# Altium PCB ltk-mw-tx-rx.PcbDoc (continued)
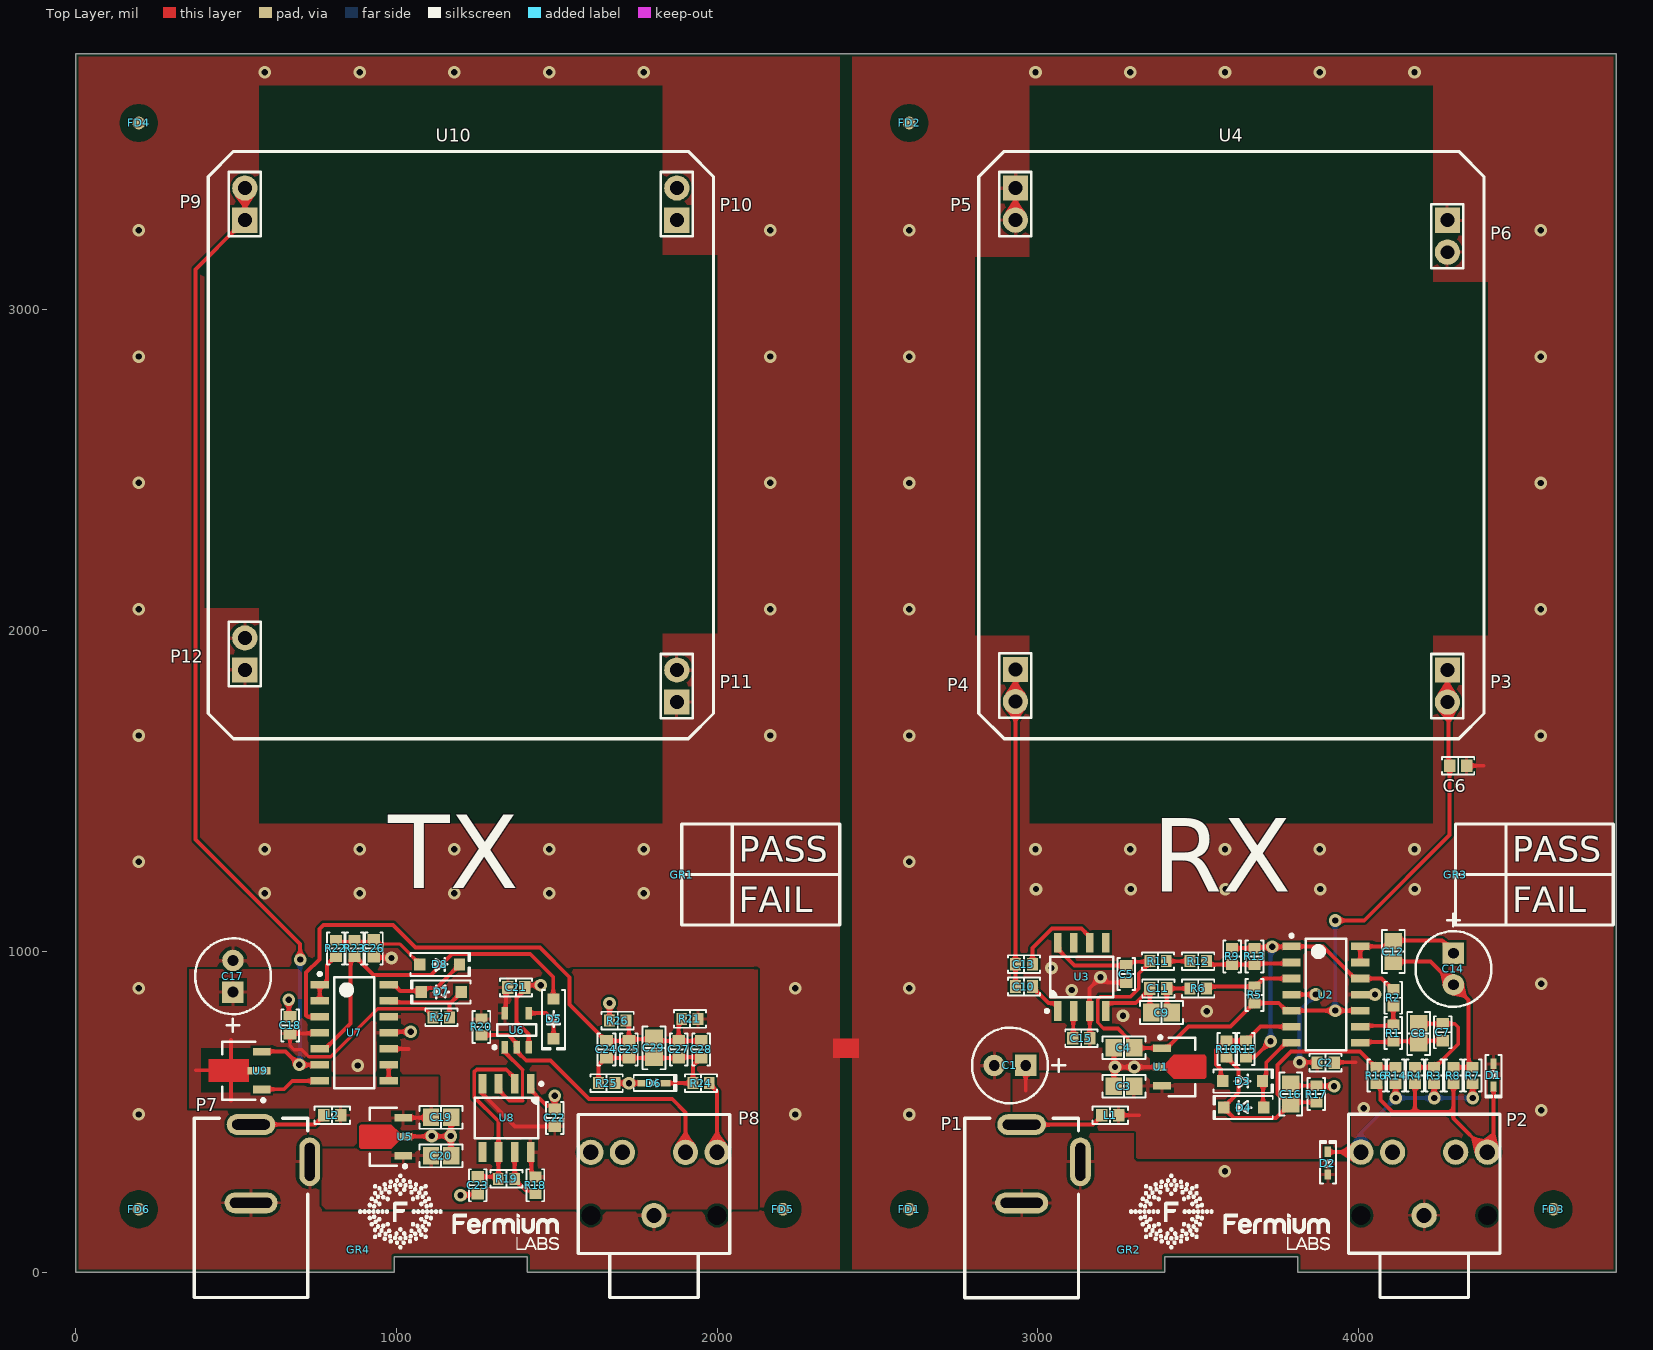
[diagram p0: Top Layer view]
## Footprints (in the part's own frame and the unit in brackets; to place one, negate y for a bottom-side part, rotate by r counter-clockwise, add the part's x,y. Pads: shape width x height; smd on the part's side, far side on the other; paste and mask are expansions set on the pad) (continued)
  rect 1x0.6 smd: 2(-2.023,0)
  Top Layer region: -1.523,0.3 -0.873,0.95 1.552,0.95 1.678,0.825 1.678,-0.825 1.552,-0.95 -0.873,-0.95 -1.523,-0.3
  silkscreen extent -2.07,-2.3 0.83,2.47, body extent -2.47,-2.25 1.68,2.25, height 1.5
F0972D8A-C5C0-4A84-836D-A9666EE65C2D [mm]
  oval 1.65x3.85 hole 0.8 slot 3 at 90 deg: 1(0,0)
  oval 1.65x4.2 hole 0.8 slot 3.35 at 90 deg: 2(-6.2,0)
  oval 3.85x1.65 hole 0.8 slot 3 at 0 deg: 3(-2.95,-4.65)
  silkscreen extent -13.7,-4.5 0.5,4.5, body extent -13.67,-4.75 0.43,4.55, height 10.9
"FER 0603_1608" [mm] "Chip Ferrite, 2-Leads, Body 1.60x0.80mm, IPC Medium Density"
  rect 0.9x1 smd: 1(-0.675,0) 2(0.675,0)
  silkscreen extent -1.4,-0.7 1.4,0.7, body extent -0.8,-0.41 0.8,0.41, height 0.82
FIDUCIAL-IPC-7351A [mm]
  round 1 smd paste-2.54 mask+1: 5(0,0)
  Top Layer pour cut-out: 0,-1.5 -0.574,-1.386 -1.061,-1.061 -1.386,-0.574 -1.5,0 -1.5,0 -1.386,0.574 -1.061,1.061 -0.574,1.386 0,1.5 0,1.5 0.574,1.386 1.061,1.061 1.386,0.574 1.5,0 1.5,0 1.386,-0.574 1.061,-1.061 0.574,-1.386 0,-1.5
"RES 0603_1608" [mm] "Chip Resistor, 2-Leads, Body 1.60x0.80mm, IPC Medium Density"
  rect 0.85x0.95 smd: 1(-0.65,0) 2(0.65,0)
  silkscreen extent -1.27,-0.7 1.27,0.7, body extent -0.8,-0.4 0.8,0.4, height 0.45
SOD523F [mm] "SODFL, 2-Leads, Body 0.80x1.60mm, IPC Medium Density"
  rect 0.8x0.5 smd: 1(0.9,0) 2(-0.9,0)
  silkscreen extent -1.6,-0.64 1.8,0.64, body extent -0.8,-0.4 0.8,0.4, height 0.65
SOD-123 [mm] "SOD, 2-Leads, Body 1.55x3.70mm, IPC Medium Density"
  rect 0.9x0.95 smd: 1(1.575,0) 2(-1.575,0)
  silkscreen extent -2.3,-0.92 2.41,0.92, body extent -1.86,-0.78 1.86,0.77, height 1.35
"TI SOIC-8 D" [mm] "SOP, 8-Leads, Body 4.90x3.90mm, Pitch 1.27mm, IPC Medium Density"
  rect 1.55x0.6 smd: 1(-2.7,1.905) 2(-2.7,0.635) 3(-2.7,-0.635) 4(-2.7,-1.905) 5(2.7,-1.905) 6(2.7,-0.635) 7(2.7,0.635) 8(2.7,1.905)
  silkscreen extent -2.82,-2.5 1.6,2.88, body extent -3.01,-2.45 3.01,2.45, height 1.5

## Part data
C1 C14 C17: library part 1a28df19-6d3e-4a71-836c-f22920f8e8ab, "CAP  THT ELEC 220uF 25V 20%", Manufacturer 1=Rubycon, Manufacturer Part Number 1=25PK220MEFC-6.3*11, ComponentLink1Description=Datasheet, ComponentLink1URL="http://localhost:8080/static/files/Rubycon-220uF-25V_C109337_12019-03-10_214953.757848.pdf?Rubycon-220uF-25V_C109337 (1).pdf", id=14782, Part Number=1a28df19-6d3e-4a71-836c-f22920f8e8ab
C2 C5 C6 C7 C11 C15 C18 C21 C22 C23 C24 C25 C27 C28: library part 02841f84-ac15-41b5-9e17-915f8f067828, "CAP SMD MLCC 100nF 25V 0603 X7R", Manufacturer 1="Samsung Electro-Mechanics", Manufacturer Part Number 1=CL10B104KA8NNNC, ComponentLink1Description=Datasheet, ComponentLink1URL=http://localhost:8080/static/files/Samsung-Electro-Mechanics-CL10B104KA8NNNC_C15902019-03-10_215548.826887.pdf?Samsung-Electro-Mechanics-CL10B104KA8NNNC_C1590.pdf, id=14784, Part Number=02841f84-ac15-41b5-9e17-915f8f067828
C3 C4 C8 C9 C12 C16 C19 C20 C29: library part 1ffbe5a9-0884-4740-bdad-20a6a98400e6, "CAP SMD MLCC 10uF 25V 0805 X5R", Manufacturer 1="Samsung Electro-Mechanics", Manufacturer 2=Murata, Manufacturer Part Number 1=CL21A106KAYNNNE, Manufacturer Part Number 2=GRM21BR61E106KA73L, ComponentLink1Description=Datasheet, ComponentLink1URL=http://localhost:8080/static/files/Samsung-Electro-Mechanics-CL21A106KAYNNNE_C158502019-03-10_213827.610739.pdf?Samsung-Electro-Mechanics-CL21A106KAYNNNE_C15850.pdf, id=14779, Part Number=1ffbe5a9-0884-4740-bdad-20a6a98400e6
C10 C13 C26: library part 0eca2548-3630-4fea-a3d5-94248c1cae74, "CAP SMD MLCC 1nF 50V 0603 X7R", Manufacturer 1="Samsung Electro-Mechanics", Manufacturer Part Number 1=CL10B102KB8NNNC, ComponentLink1Description=Datasheet, ComponentLink1URL="http://localhost:8080/static/files/Samsung-Electro-Mechanics-CL10B102KB8NNNC_C1588_12019-03-10_215732.131818.pdf?Samsung-Electro-Mechanics-CL10B102KB8NNNC_C1588 (1).pdf", id=14785, Part Number=0eca2548-3630-4fea-a3d5-94248c1cae74
D1 D2 D6: library part d6266fd0-7428-4fb9-a062-338cdce926fd, "DIODE SMD TVS 3.3V BIDIRECTIONAL SOD-523", Manufacturer 1="Born Semiconductor", Manufacturer Part Number 1=PESD3V3S1BA-N, ComponentLink1Description=Datasheet, ComponentLink1URL=http://localhost:8080/static/files/Bourne-Semicon-Shenzhen-PESD3V3S1BA-N_C3160372019-04-07_002431.794112.pdf?Bourne-Semicon-Shenzhen-PESD3V3S1BA-N_C316037.pdf, id=14798, Part Number=d6266fd0-7428-4fb9-a062-338cdce926fd
D3 D4 D5 D7 D8: library part 5e920700-75df-48e3-84dd-8f9f777caed8, "DIODE SMD 100V 150mA 1.5Vf SOD-123 4148", Manufacturer 1=MCC, ComponentLink1Description=Datasheet, ComponentLink1URL=http://localhost:8080/static/files/Micro-Commercial-Components-MCC-1N4148W-TP_C779782019-04-06_215019.428643.pdf?Micro-Commercial-Components-MCC-1N4148W-TP_C77978.pdf, id=14795, Manufacturer Part Number 1=1N4148W-TP, Part Number=5e920700-75df-48e3-84dd-8f9f777caed8
FD1 FD2 FD3 FD4 FD5 FD6: library part 19da4612-eb95-43bb-9984-553a52b2a224, "GRAPHICS FIDUCIAL IPC-7351A", id=14800, Part Number=19da4612-eb95-43bb-9984-553a52b2a224
GR1 GR3: library part d1abe19f-3fed-4f20-b2ed-afc0ffbc6628, "GRAPHICS PASS-FAIL MARK", id=14801, Part Number=d1abe19f-3fed-4f20-b2ed-afc0ffbc6628
GR2 GR4: library part 50f8ea88-0034-49fe-a263-d8e97bc35e2f, "GRAPHICS LOGO FERMIUM LABS SRL", id=14799, Part Number=50f8ea88-0034-49fe-a263-d8e97bc35e2f
L1 L2: library part c9e30ae8-9d5b-4135-a079-b1147da846d8, "FER SMD CHIP 0603 400mA 1k@100MHz 500mOhm", Manufacturer 1=Murata, ComponentLink1Description=Datasheet, ComponentLink1URL=http://localhost:8080/static/files/Murata-Electronics-BLM18AG102SN1D_C858242019-03-10_220021.186607.pdf?Murata-Electronics-BLM18AG102SN1D_C85824.pdf, id=14786, Manufacturer Part Number 1=BLM18BD252SN1D, Part Number=c9e30ae8-9d5b-4135-a079-b1147da846d8
P1 P7: library part b53db51a-1725-412b-9039-fa7a45c7c438, "CONN THT DC JACK 0.5A 30VDC 5Kcycles", Manufacturer 1="HRO Electronics", ComponentLink1Description=Datasheet, ComponentLink1URL="http://localhost:8080/static/files/Korean-Hroparts-Elec-DC-005A-20A_C191049_22019-03-10_214231.486078.pdf?Korean-Hroparts-Elec-DC-005A-20A_C191049 (2).pdf", id=14780, Manufacturer Part Number 1=DC-005A-20A, Part Number=b53db51a-1725-412b-9039-fa7a45c7c438
P2 P8: library part 80507a24-5d7c-4cf5-953e-f54832d54564, "CONN THT 3.5mm AUDIO STEREO AUX SWITCH", Manufacturer 1="HRO Electronics", ComponentLink1Description=Datasheet, ComponentLink1URL=http://localhost:8080/static/files/Korean-Hroparts-Elec-PJ-3900-04_C1518392019-04-10_231144.687617.pdf?Korean-Hroparts-Elec-PJ-3900-04_C151839.pdf, id=14793, Manufacturer Part Number 1=PJ-3900-04, Part Number=80507a24-5d7c-4cf5-953e-f54832d54564
P3 P4 P5 P6 P9 P10 P11 P12: library part fb9043ef-1dd5-4a9c-8c1a-da0c667690ac, "CONN THT PIN HEADER 2P MALE 2.54mm", Manufacturer 1="Nextronics Engineering", Manufacturer 2="Changjiang Connectors", Manufacturer 3="Shenzhen Cankemeng", Manufacturer Part Number 2=A2541WV-2P, Manufacturer Part Number 3=---, ComponentLink1Description=Datasheet, ComponentLink1URL=http://localhost:8080/static/files/Shenzhen-Cankemeng-Headers-Pins-1-2P-2-54mm-Straight-line_C1243752019-04-06_220043.339618.pdf?Shenzhen-Cankemeng-Headers-Pins-1-2P-2-54mm-Straight-line_C124375.pdf, ComponentLink2Description=Datasheet, ComponentLink2URL=http://localhost:8080/static/files/Nextronics-Engineering-Z-211-0211-0021-001_C1521542019-04-06_220050.159477.pdf?Nextronics-Engineering-Z-211-0211-0021-001_C152154.pdf, ComponentLink3Description=Datasheet, ComponentLink3URL=http://localhost:8080/static/files/Changjiang-Connectors-A2541WV-2P_C2254772019-04-06_220058.382973.pdf?Changjiang-Connectors-A2541WV-2P_C225477.pdf, id=14796, Manufacturer Part Number 1=Z-211-0211-0021-001, Part Number=fb9043ef-1dd5-4a9c-8c1a-da0c667690ac
R1 R6 R10 R11 R12 R15 R19 R20 R21 R25: library part 93242766-ba1d-462d-b58f-ce1dfc4129c8, "RES SMD 10K OHM 1% 1/10W 0603", Manufacturer 1=Yageo, Manufacturer Part Number 1=RC0603FR-0710KL, id=12101, Part Number=93242766-ba1d-462d-b58f-ce1dfc4129c8
R2 R5 R9 R13 R17 R26: library part 76af10b3-9d85-4b5c-a2d6-26cc74f432f7, "RES SMD 100K OHM 1% 1/10W 0603", Manufacturer 1=Yageo, Manufacturer Part Number 1=RC0603FR-07100KL, id=12746, Part Number=76af10b3-9d85-4b5c-a2d6-26cc74f432f7
R3 R4 R7 R8 R14 R16: library part 6ae227f9-847f-4766-8522-e11a83531204, "RES SMD 0 OHM 5% 1/10W 0603", Manufacturer 1=Yageo, Manufacturer Part Number 1=RC0603JR-070RL, id=11973, Part Number=6ae227f9-847f-4766-8522-e11a83531204
R18 R22 R23 R24 R27: library part a678220f-9e9d-4863-a833-9993504f723c, "RES SMD 1K OHM 1% 1/10W 0603", Manufacturer 1=Yageo, Manufacturer Part Number 1=RC0603FR-071KL, id=14794, Part Number=a678220f-9e9d-4863-a833-9993504f723c
U1 U5: library part fd64863e-487f-4688-b264-696c0ba5456b, "IC SMD LINEAR VOLTAGE REGULATOR 5V 100mA SOT-89", Manufacturer 1="Diodes Inc.", Manufacturer 2="KIA Semicon Tech", Manufacturer Part Number 2=KIA78L05T, ComponentLink1Description=Datasheet, ComponentLink1URL="http://localhost:8080/static/files/Diodes-Incorporated-AS78L05RTR-E1_C90471_12019-03-10_215252.941962.pdf?Diodes-Incorporated-AS78L05RTR-E1_C90471 (1).pdf", ComponentLink2Description=Datasheet, ComponentLink2URL="http://localhost:8080/static/files/KIA-Semicon-Tech-KIA78L05T_C90763_12019-03-10_215415.523371.pdf?KIA-Semicon-Tech-KIA78L05T_C90763 (1).pdf", id=14783, Manufacturer Part Number 1=AS78L05RTR-E1, Part Number=fd64863e-487f-4688-b264-696c0ba5456b
U2 U7: library part 21a85167-c328-42f7-a52e-365842c6dad3, "IC SMD OPAMP LM324DT SO-14", Manufacturer 1="ST Microelectronics", ComponentLink1Description=Datasheet, ComponentLink1URL=http://localhost:8080/static/files/STMicroelectronics-LM324DT_C710352019-04-06_191500.254110.pdf?STMicroelectronics-LM324DT_C71035.pdf, id=14792, Manufacturer Part Number 1=LM324DT, Part Number=21a85167-c328-42f7-a52e-365842c6dad3
U3: library part a9622f6c-68f2-4f08-abc9-76f38977fdd3, "IC SMD RF MIXER SA612A SOIC-8", Manufacturer 1="NXP Semiconductors", Manufacturer Part Number 2=SA612AD/01,118, ComponentLink1Description=Datasheet, ComponentLink1URL=http://localhost:8080/static/files/SA612AD-01118-Philips2019-03-11_010245.512050.pdf?SA612AD-01,118-Philips.pdf, ComponentLink2Description=Datasheet, ComponentLink2URL="http://localhost:8080/static/files/NXP_Semiconductors-SA612AD_01118-datasheet_32019-03-11_010254.258631.pdf?NXP_Semiconductors-SA612AD_01,118-datasheet (3).pdf", ComponentLink3Description="RoHS Statement", ComponentLink3URL=http://localhost:8080/static/files/NXP_Semiconductors-rohs_statement2019-03-11_010314.569812.pdf?NXP_Semiconductors-rohs_statement.pdf, id=14790, Manufacturer 2="NXP Semiconductors", Manufacturer Part Number 1=SA612AD/01,112, Part Number=a9622f6c-68f2-4f08-abc9-76f38977fdd3
U4 U10: library part f0e19a38-18de-4253-8da2-aebb0c4083bd, "MODULE THT RADAR DOPPLER 10.525GHz NJR4178", Manufacturer 1="New Japan Radio", ComponentLink1Description=Datasheet, ComponentLink1URL=http://localhost:8080/static/files/Xdoppler_NJR41767881_rev032019-03-10_230533.619662.pdf?Xdoppler_NJR4176^78^81_rev03.pdf, ComponentLink2Description=Corrispondence, ComponentLink2URL="http://localhost:8080/static/files/FERMIUM_LABS_Moduli_NJR41782019-03-10_230730.901712.pdf?FERMIUM LABS  Moduli NJR4178.pdf", ComponentLink3Description=Quote, ComponentLink3URL=http://localhost:8080/static/files/201812111056099982019-03-10_230743.103809.pdf?20181211105609998.pdf, ComponentLink4Description="Product Page", ComponentLink4URL=https://micro.njr.com/eng/products/sensor/doppler/r4178.html, id=14789, Manufacturer Part Number 1=NJR4178, Part Number=f0e19a38-18de-4253-8da2-aebb0c4083bd
U6: library part 33900555-dbb4-4b72-871f-952983a59b08, "IC SMD NAND GATE 2 INPUTS 74X00 SC-74A", Manufacturer 1=Nexperia, ComponentLink1Description=Datasheet, ComponentLink1URL=http://localhost:8080/static/files/Nexperia-74LVC1G00GV-125_C1313082019-04-06_222642.812294.pdf?Nexperia-74LVC1G00GV-125_C131308.pdf, id=14797, Manufacturer Part Number 1=74LVC1G00GV,125, Part Number=33900555-dbb4-4b72-871f-952983a59b08
U8: library part d16ab88a-2543-469a-8940-7b800b633548, "IC SMD TIMER NE555 SOIC-8", Manufacturer 1="Texas Instruments", ComponentLink1Description=Datasheet, ComponentLink1URL="http://localhost:8080/static/files/Texas-Instruments-TI-NE555DR_C7593_22019-03-10_221020.033506.pdf?Texas-Instruments-TI-NE555DR_C7593 (2).pdf", id=14787, Manufacturer Part Number 1=NE555DR, Part Number=d16ab88a-2543-469a-8940-7b800b633548
U9: library part 0e502e05-00ae-4c6f-83a4-b2f55de2403a, "TRANS NPN BCX56-16 1A 80V 1.25W SOT-89-3", Manufacturer 1=Nexperia, ComponentLink1Description=Datasheet, ComponentLink1URL=http://localhost:8080/static/files/Nexperia-BCX56-16-115_C1000262019-07-12_120358.7389322019-07-15_223409.342685.pdf?Nexperia-BCX56-16-115_C1000262019-07-12_120358.738932.pdf, id=14824, Manufacturer Part Number 1=BCX56-16,115, Part Number=0e502e05-00ae-4c6f-83a4-b2f55de2403a

## Via types
v1: diameter 39.37, hole 19.68, Top Layer to Bottom Layer, tented both sides, 93 vias

## Nets (pads, with @x,y where several pads share a name; then routed paths per layer and width w, separated by ;. In a path a pad name is that pad's centre, name@x,y a point inside that pad or via, vN(x,y) a via of type N, cw(c..) or ccw(c..) an arc to the next point about the centre after c; other vN are vias at no path point)
+5V_RX: C4.2 C5.2 C6.2 P3.1 P3.2 R5.1 R11.2 U1.1 U2.5 U2.10 U3.8 | length 2834.1
  Top Layer w10: 3195.18,859.25 3186.56,850.63 3186.56,778.84 3205.4,760
  Top Layer w12: U3.8 3061.37,1008.63 3113.36,956.65 C5.2 3286.8,968.37 3347.18,968.37 R11.2 3348.82,965.91 3314.12,931.21 3314.12,885.34 3288.03,859.25 3195.18,859.25 ; 3205.4,760 3249.76,760 3279.97,729.79 3279.97,719.83 C4.2 3300.51,699.3 U1.1 3402.06,699.3 3469.66,766.89 3600.51,766.89 3673.03,839.41 R5.1 ; R5.1@3676.97,839.41 3750.28,839.41 3773.65,816.04 U2.5 v1(3926.37,816.04) U2.10 ; v1(3926.37,1096.78) 4016.78,1096.78 4283.24,1363.24 C6.2 4279.68,1582.85 4279.68,1774 P3.2 P3.1
  Bottom Layer w12: v1(3926.37,816.04) v1(3926.37,1096.78)
+5V_TX: C20.2 C21.2 C22.2 R18.2 R20.1 R21.2 U5.1 U6.5 U7.10 U7.12 U8.4 U8.8 | length 502.1
  Top Layer w12: U7.10 1038.26,696.74 ; U8.4@1263.43,561.57 1370,455 C22.2 ; R20.1 R20.1@1268.87,794.46 ; U6.5@1333.76,794.46 1337.6,798.31 U6.5 1341.44,811.99 1341.44,882.62 C21.2 ; U8.8@1419.91,351.57 1420.72,350.76 1420.72,307.9 1431.46,297.17 R18.2
+12V_RX: C1.1 C2.2 C3.2 L1.2 U1.3 U2.4 | length 504.1
  Top Layer w12: 2961.76,566.76 C1.1 ; L1.2 3315,490 ; U2.4 v1(3865.68,866.04) ; v1(3815,655) 3867.87,655 C2.2@3869.41,653.46
  Bottom Layer w12: v1(3815,655) 3815,815.36 v1(3865.68,866.04)
+12V_TX: C17.1 C18.2 C19.2 L2.2 R27.2 U5.3 U7.4 U9.2 | length 1030.2
  Top Layer w10: C18.2 668.69,706.31 681.02,693.98 705.43,693.98 727.48,671.93 795.33,671.93 868.69,745.29 868.69,748.2 942.05,821.55 1089.82,821.55 1114.41,796.97 R27.2
  Top Layer w12: 375,630 480,630 ; 485,535 485,630 485,725 ; C18.2 670.35,745.08 U7.4@743.77,745.08 ; U5.3 1107.04,482.24 C19.2
GND: C1.2 C2.1 C3.1 C4.1 C5.1 C6.1 C15.2 C16.2 C17.2 C18.1 C19.1 C20.1 C21.1 C22.1 C23.2 C26.2 D1.2 D2.2 D6.2 P1.2 P1.3 P2.1@4203.68,177.73 P5.1 P5.2 P6.1 P6.2 P7.2 P7.3 P8.1@1802.99,177.43 P8.4 P11.1 P11.2 P12.1 P12.2 R17.1 R25.1 R26.1 U1.2 U2.11 U3.3 U5.2 U6.3 U7.11 U8.1 | length 1997.9
  Top Layer w12: v1(665,850) 665,802.88 670,797.88 C18.1 ; C26.2 931.71,981.71 983.29,981.71 v1(985,980) ; U7.11 977.72,745 982.72,750 v1(1045,750) ; U5.2 1030.59,424.09 1164.09,424.09 v1@1165,425 ; C19.1@1165,480 1170,475 v1(1170,425) C20.1@1170,370 ; v1@1210,240 1212.5,242.5 1250.93,242.5 C23.2 C23.2@1263.43,235 ; C21.1@1400,885 1410,895 v1(1450,895) ; C21.1 1388.28,876.31 1388.28,868.7 1375,855.41 1375,780 1412.4,742.6 1412.4,712.6 U6.3@1415,710 ; U8.1 1418.43,569.17 1467.73,519.87 1481.71,519.87 C22.1 v1(1493.43,550.62) ; R26.1 v1(1664.41,839.41) ; R25.1 v1(1725,590) D6.2 ; P5.2@2923.23,3287.4 2929.66,3293.84 P5.1 ; U3.3 3161.47,814.63 3161.47,730.1 C15.2 ; U3.3@3161.37,826.37 3160.73,827.02 3160.73,885.73 v1(3195,920) 3199.21,920 3215.71,903.5 C5.1 ; C3.1 v1@3236.57,640 ; C4.1@3240,700 3236.57,696.57 v1@3236.57,640 ; U1.2@3380,640 v1@3236.57,640 ; C16.2 3793.57,581.63 3866.12,581.63 3867.67,580.07 3868.44,580.85 3922.17,580.85 v1(3922.95,580.07) ; C2.1 3924.03,655 3990,655 ; U2.11 v1(4050.41,866.04) ; C6.1 4389.29,1579.29
  other v1: 1200,240 3582.68,314.96 1110,425 196.59,492.39 2243.85,492.39 2598.69,492.13 4568.49,505.83 4015.75,511.81 3240,640 3300,640 880,645 3265,800 3526.3,813.7 3105,880 2598.69,885.83 196.59,886.09 2243.85,886.09 4568.49,899.53 3041.97,948.81 590.29,1181.37 885.56,1181.37 1180.84,1181.37 1476.11,1181.37 1771.39,1181.37 2993.69,1194.8 3288.97,1194.8 3584.24,1194.8 3879.52,1194.8 4174.79,1194.8 196.59,1279.79 2598.69,1279.53 590.29,1319.17 885.56,1319.17 1180.84,1319.17 1476.11,1319.17 1771.39,1319.17 2992.39,1319.17 3287.67,1319.17 3582.94,1319.17 3878.22,1319.17 4173.49,1319.17 196.59,1673.49 2165.09,1673.49 2598.69,1673.23 4567.19,1673.23 2598.69,2066.93 4567.19,2066.93 196.59,2067.19 2165.09,2067.19 196.59,2460.89 2165.09,2460.89 2598.69,2460.63 4567.19,2460.63 196.59,2854.6 2165.09,2854.6 2598.69,2854.33 4567.19,2854.33 2598.69,3248.03 4567.19,3248.03 196.59,3248.3 2165.09,3248.3 590.29,3740.43 885.56,3740.43 1180.84,3740.43 1476.11,3740.43 1771.39,3740.43 2992.39,3740.43 3287.67,3740.43 3582.94,3740.43 3878.22,3740.43 4173.49,3740.43
IF: C10.1 C13.1 P4.1 P4.2 | length 987.4
  Top Layer w12: P4.2 2929.73,1779.15 2929.73,961.1 C13.1 C10.1 ; P4.1 2929.66,1784.9 P4.2@2933.07,1781.5
NetC7_1: C7.1 C8.1 R1.1 U2.8 | length 264.6
  Top Layer w12: U2.8 4007.16,718.24 4105.46,718.24 R1.1 4179.51,720.44 C8.1 4194.72,721.92 C7.1
NetC7_2: C7.2 C8.2 R3.2 R4.2 | length 345.8
  Top Layer w12: R4.2 R3.2 4236.97,639.29 4310,712.32 4310,764.13 4299.06,775.07 C7.2 4187.87,775.07 C8.2
NetC9_1: C9.1 C11.1 U3.4 | length 255.4
  Top Layer w12: U3.4 3211.37,833.44 3217.18,839.25 3304.64,839.25 3348.43,883.03 C11.1 3348.43,815.08 C9.1
NetC9_2: C9.2 C11.2 R6.2 | length 153.4
  Top Layer w12: C9.2 3401.57,824.92 C11.2 R6.2
NetC10_2: C10.2 U3.1 | length 112.8
  Top Layer w12: C10.2 2982.95,889.07 3032.77,839.25 3055.56,839.25 3061.37,833.44 U3.1@3061.37,824.09
NetC12_1: C12.1 C14.2 R7.2 R8.2 | length 562
  Top Layer w12: C12.1 4223,968.58 C14.2 4342.3,849.28 R7.2@4342.3,650.02 ; R8.2 4344.07,639.29 4344.07,650.02 R7.2@4342.3,650.02 ; R7.2 4353.03,639.29 R7.2@4342.3,650.02
NetC12_2: C12.2 C14.1 U2.13 U2.14 | length 366.9
  Top Layer w12: U2.13 U2.14 4092.13,1016.04 C12.2 4111.1,1035 4260,1035 4291.46,1003.54 cw(c4282.93,995) C14.1
NetC13_2: C13.2 U3.6 | length 283
  Top Layer w12: C13.2 2982.95,1011.03 3043.76,1071.85 3135.56,1071.85 3161.37,1046.04 U3.6
NetC15_1: C15.1 U3.2 | length 86
  Top Layer w12: C15.1 3109.9,731.47 3109.9,813.26 U3.2
NetC16_1: C16.1 D4.1 R10.1 R14.2 R16.2 R17.2 | length 1065.7
  Top Layer w12: R10.1 3625,633.11 3625,560.39 3579.29,514.68 D4.1 3579.29,512.72 3611.01,481 3742.16,481 3785.7,524.54 C16.1 ; R17.2 3793.57,530.44 C16.1 ; R14.2 R16.2 4053.03,639.29 4003.64,688.69 3788.69,688.69 3746.11,646.11 3746.11,556.14 3758.12,544.13 3768.08,544.13 C16.1
NetC23_1: C23.1 R19.1 U8.2 U8.6 | length 558
  Top Layer w12: C23.1 1307.1,298.15 1313.43,291.83 R19.1@1313.43,291.57 ; U8.6 1318.13,374.98 1318.13,304.28 1320.83,301.57 R19.1@1323.43,301.57 ; U8.6@1318.43,396.57 1318.43,471.18 1242.61,546.99 1242.61,624.18 1250.82,632.39 1342.61,632.39 1368.43,606.57 U8.2
NetC24_1: C24.1 C25.1 C27.1 C28.1 C29.1 D6.1 R24.1 R25.2 | length 551.2
  Top Layer w12: R25.2 1630,645.39 1653.03,668.43 C24.1 C25.1 1802.91,668.43 C29.1 ; C29.1@1807.99,668.43 C27.1 1882.5,670.93 1940.53,670.93 C28.1@1943.03,673.43 ; D6.1 R24.1 1924.41,644.8 1948.03,668.43 C28.1
NetC24_2: C24.2 C25.2 C27.2 C28.2 C29.2 R21.1 R26.2 U7.3 | length 1877.1
  Top Layer w12: U7.3 723.26,796.74 718.86,801.14 718.86,934.58 760,975.71 760,1070 772.7,1082.7 990,1082.7 1060,1012.7 1447.3,1012.7 1540,920 1540,834.61 1653.03,721.57 C24.2 1720,721.57 C25.2@1725,726.57 ; R26.2 1725,775.59 C25.2@1725,726.57 ; C25.2@1725,720 C25.2 C25.2@1725,726.57 ; C27.2@1880,715 C27.2 ; R21.1 1880,780.59 C27.2 ; C28.2 C27.2 ; C25.2@1725,726.57 1802.99,726.57 1807.99,721.57 C27.2
NetC26_1: C26.1 D8.2 R22.2 R23.1 | length 306.3
  Top Layer w10: R22.2 816.74,1029.74 R23.1@870,1029.74 ; R23.1 R23.1@870,1029.74 ; C26.1 C26.1@930,1029.74 ; D8.2 1072.99,960.98 1010.12,1023.86 935.88,1023.86 C26.1@930,1029.74 ; R23.1@870,1029.74 C26.1@930,1029.74
NetD1_1: D1.1 P2.3 R4.1 R8.1 R16.1 | length 858.4
  Top Layer w12: R16.1 4056.97,588.11 4067.7,577.38 4067.7,537.3 4105,500 4175,500 ; R4.1 4175,500 ; R8.1 4295,500 ; D1.1 4420,394.05 P2.3 4295,480.11 4295,500 ; 4175,500 4295,500
NetD2_1: D2.1 P2.2 R3.1 R7.1 R14.1 | length 667.8
  Top Layer w12: D2.1 3904.33,375.24 3976.6,375.24 P2.2@3981.84,370 ; v1(4115,543.7) R14.1 ; v1(4235,543.7) R3.1 ; v1(4355,543.7) R7.1
  Bottom Layer w12: P2.2 4007.46,375.21 4007.46,436.16 v1(4115,543.7) v1(4235,543.7) v1(4355,543.7)
NetD3_1: D3.1 D4.2 U2.7 | length 251.2
  Top Layer w12: D4.2 3701.49,515.52 3701.49,594.22 D3.1 3711.39,607.75 3711.39,653.78 3773.65,716.04 U2.7
NetD3_2: D3.2 R10.2 R15.1 U2.6 | length 371.2
  Top Layer w12: D3.2 3570.14,601.55 3570.14,632.74 3554.97,647.91 3554.97,692.98 3572.88,710.89 3576.94,710.89 R10.2 3649.64,721.63 3694.05,766.04 U2.6
NetD5_1: D5.1 U6.4 | length 144.2
  Top Layer w12: U6.4 1466.85,808.15 1490,785 D5.1
NetD5_2: D5.2 R23.2 U7.5 | length 1110.2
  Top Layer w12: U7.5 778.14,696.74 857.3,775.9 857.3,973.68 868.03,984.41 R23.2 ; R23.2@871.97,984.41 896.31,960.06 896.31,959.91 928.93,927.3 1108.03,927.3 1173.43,992.7 1417.3,992.7 1489.02,920.98 D5.2@1489.02,852.01
NetD7_1: D7.1 D8.1 U7.14 | length 267.2
  Top Layer w12: U7.14 992.71,896.74 1011.93,877.52 1074.47,877.52 D7.1 1077.99,874.98 1089.71,886.7 1124.69,886.7 1197.01,959.02 D8.1
NetD7_2: D7.2 R27.1 U7.13 | length 290.7
  Top Layer w12: U7.13 981.42,841.3 1170.29,841.3 ; R27.1 1165.59,796.97 1165.59,835.59 1170.29,840.29 1170.29,841.3 ; D7.2 D7.2 1202.01,873.01 1170.29,841.3
NetL1_1: L1.1 P1.1 | length 262.7
  Top Layer w12: P1.1 3171.02,460.63 3198.43,488.03 L1.1
NetL2_1: L2.1 P7.1 | length 239.6
  Top Layer w12: P7.1 746.29,460.89 773.43,488.03 L2.1
NetP8_3: P8.3 R24.2 | length 225.8
  Top Layer w12: R24.2 1975.59,588.03 1999.84,563.78 P8.3
NetP8_5: P8.5 R20.2 U6.2 | length 874.4
  Top Layer w12: R20.2 1349.37,739.41 1371.16,717.62 1371.16,705.69 U6.2 1378.84,698.01 1378.84,686.08 1404.93,660 1480,660 1600,540 1860,540 1901.41,498.59 P8.5
NetR1_2: R1.2 R2.1 U2.9 | length 163.9
  Top Layer w12: U2.9 4007.75,768.83 4104.87,768.83 R1.2 R2.1
NetR2_2: R2.2 R9.1 R13.1 R15.2 U2.1 U2.12 | length 956.1
  Top Layer w12: R9.1 3673.7,1010.59 3674.35,1009.94 3677.72,1013.31 3728.31,1013.31 v1(3730,1015) 3789.35,1015 U2.1 3888.22,1016.04 3988.22,916.04 U2.12 4071.29,916.04 4105.7,881.63 R2.2 ; R15.2 3675.44,670.44 v1(3725,720)
  Bottom Layer w12: v1(3725,720) 3725,1010 v1(3730,1015)
NetR5_2: R5.2 R6.1 U2.3 | length 278.2
  Top Layer w12: R6.1 3530.59,890.59 3676.97,890.59 3702.41,916.04 U2.3
NetR9_2: R9.2 R12.1 R13.2 U2.2 | length 274.4
  Top Layer w12: R12.1 3535.59,959.41 R13.2@3673.7,959.41 ; R13.2 R13.2@3673.7,959.41 ; U2.2 3787.07,962.72 3678.31,962.72 3674.35,958.76 R13.2@3673.7,959.41
NetR11_1: R11.1 R12.2 | length 73.8
  Top Layer w12: R11.1 R12.2
NetR18_1: R18.1 R19.2 U8.7 | length 151.2
  Top Layer w12: R19.2@1366.02,301.57 1368.72,304.28 1368.72,374.98 U8.7 ; R19.2@1373.43,285.2 1401.91,256.72 1422.69,256.72 R18.1
NetR22_1: R22.1 U7.1 U7.2 | length 169
  Top Layer w12: U7.2 U7.1 778.14,896.74 783.95,902.55 783.95,958.92 809.18,984.15 R22.1
NetU6_1: U6.1 U8.3 | length 297.6
  Top Layer w10: 1393.24,535 1393.24,631.76
  Top Layer w12: U8.3 1318.43,569.17 1352.6,535 1393.24,535 ; U6.1 1337.6,687.4 1393.24,631.76
NetU7_7: U7.7 U9.1 | length 192.1
  Top Layer w12: U9.1@580,570.87 649.61,570.87 675.48,596.74 U7.7
NetU7_8: U7.8 U7.9 | length 50
  Top Layer w12: U7.8 U7.9
PWR: P9.1 P9.2 U7.6 U9.3 | length 3136.9
  Top Layer w12: P9.1@512.08,3287.4 512.08,3264.17 374.28,3126.38 374.28,1349.73 700,1024.02 v1(700,975) ; P9.2 527.82,3291.34 P9.1@531.76,3287.4 ; U9.3@570,688.98 655,688.98 v1(697.23,646.74) U7.6
  Bottom Layer w12: v1(697.23,646.74) 700,649.52 v1(700,975)
pads on no net: FD1.5 FD2.5 FD3.5 FD4.5 FD5.5 FD6.5 P2.1@4006.83,177.73 P2.1@4400.53,177.73 P2.4 P2.5 P8.1@1606.14,177.43 P8.1@1999.84,177.43 P8.2 P10.1 P10.2 U3.5 U3.7 U8.5
copper on no net: | length 8.3
  Top Layer w12: 1575.31,375.59 1581.15,369.75 1581.15,369.7

## Polygon pours and split planes (outlines as drawn)
GND on Bottom Layer "GND_L02_P038" (solid, remove dead copper, pour order 38): -0.26,0.26 -0.26,3799.48 0,3799.74 2401.57,3799.74 2401.84,3799.48 2401.84,0 1407.48,0 1407.22,0.26 1407.22,41.34 994.36,41.34 994.36,0.26 994.09,0
GND on Bottom Layer "GND_L02_P032" (solid, remove dead copper, pour order 32): 2401.84,0 2401.84,3799.21 2402.1,3799.48 4803.68,3799.48 4803.94,3799.21 4803.94,-0.26 3809.59,-0.26 3809.32,0 3809.32,41.07 3396.46,41.07 3396.46,0 3396.2,-0.26
no net on Bottom Layer "NONET_L02_P031" (solid, remove dead copper, pour order 31): 2401.84,0 2401.84,3799.21 2402.1,3799.48 4803.68,3799.48 4803.94,3799.21 4803.94,-0.26 3809.59,-0.26 3809.32,0 3809.32,41.07 3396.46,41.07 3396.46,0 3396.2,-0.26
no net on Bottom Layer "Bottom Layer-No Net" (solid, pour order 30): 2401.84,0
GND on Top Layer "GND_L01_P040" (solid, remove dead copper, pour order 40): 2401.84,984.25 2401.84,0 1417.59,0 1407.75,9.84 1407.75,39.37 994.36,39.37 994.36,9.84 984.52,0 738.45,0 738.45,196.85 2125.98,196.85 2125.98,984.25
GND on Top Layer "GND_L01_P039" (solid, remove dead copper, pour order 39): 0,0 -0.26,3799.48 2401.84,3799.48 2401.84,944.88 1358.53,944.88 1142,728.35 1142,590.55 728.61,590.55 728.61,944.88 354.33,944.88 354.33,511.81 728.61,511.81 728.61,354.33 767.98,354.33 767.98,0
+5V_TX on Top Layer "+5V_TX_L01_P037" (solid, remove dead copper, pour order 37): 945.15,944.88 945.15,610.24 1122.31,610.24 1122.31,393.7 767.98,393.7 767.98,196.85 1142,196.85 2125.98,196.85 2125.98,944.88
+12V_TX on Top Layer "+12V_TX_L01_P036" (solid, remove dead copper, pour order 36): 354.33,944.88 728.61,944.88 728.61,610 1130,610 1130,393.7 728.61,393.7 728.61,511.81 354.33,511.81
+12V_RX on Top Layer "+12V_RX_L01_P035" (solid, remove dead copper, pour order 35): 2913.39,442.07 3296.94,442.07 3296.94,345.33 3967.64,345.33 3967.64,660.29 2913.39,660.29
GND on Top Layer "GND_L01_P034" (solid, remove dead copper, pour order 34): 2401.84,714 2913.39,714 2913.39,433.07 3298.35,433.07 3298.35,354.33 3307.35,345.33 3976.64,345.33 3976.64,714 4803.94,714 4803.94,-0.26 3809.59,-0.26 3809.32,41.07 3396.46,41.07 3396.46,0 2401.84,0
GND on Top Layer "GND_L01_P033" (solid, remove dead copper, pour order 33): 2401.84,629.92 4803.94,629.92 4803.94,3799.21 2402.1,3799.48

## Other copper
Top Layer:
  pour cut-out: 390,700 390,560 650,560 680,590 680,670 650,700
  pour cut-out: 3540,750 3540,590 3350,590 3350,720 3450,720 3470,740 3470,750
  region net GND: 2362.2,728.35 2440.94,728.35 2440.94,669.29 2362.2,669.29
Multi-Layer:
  pour cut-out: 2381.89,0 2421.26,0 2421.26,3799.21 2381.89,3799.21
  pour cut-out: 2972.97,3700.79 4232.81,3700.79 4232.81,1397.64 2972.97,1397.64
  pour cut-out: 571.13,3700.79 1830.97,3700.79 1830.97,1397.64 571.13,1397.64

## Silkscreen, mask and mechanical layers (free items; w line width, h text height)
Top Overlay:
  text "TX" at 974.41,1122.05 h393.7
  text "RX" at 3356.3,1112.2 h393.7
Bottom Overlay:
  text "TX" at 1545.28,1663.39 h590.55
  text "RX" at 3927.17,1653.54 h590.55
Board outline:
  lines w12: 2401.84,0 1407.48,0 1407.48,49.21 994.09,49.21 994.09,0 0,0 0,3799.21 2401.57,3799.21 ; 2401.58,3799.21 4803.15,3799.21 4803.15,0 3809.06,0 3809.06,49.21 3395.67,49.21 3395.67,0 2401.58,0 2401.58,3799.21
PCBM Notes:
  lines w10: -20.03,4390.47 2185.04,4370.78 2185.04,4114.17 -19.68,4114.17 -19.68,4389.76 ; 2401.57,-77.75 2401.57,3877.95
  text "PRJ: '.ProjectTitle'" at 0,4330.71 h60
  text "DATE: '.Print_Date' '.Print_Time'" at 0,4271.65 h60
  text "REVISION NUMBER: .VersionControl_RevNumber" at 0,4212.6 h60
  text "ALTIUM VERSION: '.Application_BuildNumber'" at 0,4153.54 h60
  text "YOU CAN PLACE MARKINGS HERE" at 2066.93,2086.61 h60 r90
  text "YOU CAN PLACE MARKINGS HERE" at 2165.35,2086.61 h60 r90
  text "YOU CAN PLACE MARKINGS HERE" at 2263.78,2086.61 h60 r90
  text "YOU CAN PLACE MARKINGS HERE" at 2362.2,2086.61 h60 r90
  text "YOU CAN PLACE MARKINGS HERE" at 4488.19,2086.61 h60 r90
  text "YOU CAN PLACE MARKINGS HERE" at 4586.61,2086.61 h60 r90
  text "YOU CAN PLACE MARKINGS HERE" at 4685.04,2086.61 h60 r90
  text "YOU CAN PLACE MARKINGS HERE" at 4783.46,2086.61 h60 r90
PCBD Notes:
  circle w10: c3602.36,1899.61 r590.55
  circle w10: c1200.79,1899.61 r590.55
  circle w7.87: c1874.28,1877.56 r19.68
  circle w7.87: c527.82,1877.56 r19.68
  circle w7.87: c1874.28,1877.56 r19.68
  circle w7.87: c527.82,3279.92 r19.68
  circle w7.87: c527.82,3279.92 r19.68
  circle w7.87: c527.82,1877.56 r19.68
  circle w7.87: c1874.28,3279.92 r19.68
  circle w7.87: c1874.28,3279.92 r19.68
  circle w7.87: c4276.12,3279.92 r19.68
  circle w7.87: c4276.12,3279.92 r19.68
  circle w7.87: c2929.66,1877.56 r19.68
  circle w7.87: c2929.66,3279.92 r19.68
  circle w7.87: c2929.66,3279.92 r19.68
  circle w7.87: c4276.12,1877.56 r19.68
  circle w7.87: c2929.66,1877.56 r19.68
  circle w7.87: c4276.12,1877.56 r19.68
  lines w12: 477.82,1877.56 577.82,1877.56 ; 477.82,3279.92 577.82,3279.92 ; 527.82,1827.56 527.82,1927.56 ; 527.82,3229.92 527.82,3329.92 ; 1824.28,1877.56 1924.28,1877.56 ; 1824.28,3279.92 1924.28,3279.92 ; 1874.28,1827.56 1874.28,1927.56 ; 1874.28,3229.92 1874.28,3329.92 ; 2879.66,1877.56 2979.66,1877.56 ; 2879.66,3279.92 2979.66,3279.92 ; 2929.66,1827.56 2929.66,1927.56 ; 2929.66,3229.92 2929.66,3329.92 ; 4226.12,1877.56 4326.12,1877.56 ; 4226.12,3279.92 4326.12,3279.92 ; 4276.12,1827.56 4276.12,1927.56 ; 4276.12,3229.92 4276.12,3329.92 ; 413.65,1742.13 492.39,1663.39 ; 413.65,1742.13 413.65,3415.35 ; 413.65,1742.13 413.65,3415.35 ; 413.65,1742.13 492.39,1663.39 ; 413.65,3415.35 492.39,3494.09 ; 413.65,3415.35 492.39,3494.09 ; 492.39,1663.39 1909.71,1663.39 ; 492.39,1663.39 1909.71,1663.39 ; 492.39,3494.09 1909.71,3494.09 ; 492.39,3494.09 1909.71,3494.09 ; 1909.71,1663.39 1988.45,1742.13 ; 1909.71,1663.39 1988.45,1742.13 ; 1909.71,3494.09 1988.45,3415.35 ; 1909.71,3494.09 1988.45,3415.35 ; 1988.45,1742.13 1988.45,3415.35 ; 1988.45,1742.13 1988.45,3415.35 ; 2815.49,1742.13 2894.23,1663.39 ; 2815.49,1742.13 2815.49,3415.35 ; 2815.49,1742.13 2815.49,3415.35 ; 2815.49,1742.13 2894.23,1663.39 ; 2815.49,3415.35 2894.23,3494.09 ; 2815.49,3415.35 2894.23,3494.09 ; 2894.23,1663.39 4311.55,1663.39 ; 2894.23,1663.39 4311.55,1663.39 ; 2894.23,3494.09 4311.55,3494.09 ; 2894.23,3494.09 4311.55,3494.09 ; 4311.55,1663.39 4390.29,1742.13 ; 4311.55,1663.39 4390.29,1742.13 ; 4311.55,3494.09 4390.29,3415.35 ; 4311.55,3494.09 4390.29,3415.35 ; 4390.29,1742.13 4390.29,3415.35 ; 4390.29,1742.13 4390.29,3415.35 ; 358.01,295.54 358.01,393.97 369.82,295.54 369.82,393.97 358.01,295.54 ; 487.93,212.86 606.04,220.74 487.93,220.74 606.04,212.86 487.93,212.86 ; 487.93,454.01 606.04,454.01 487.93,467.78 606.04,467.78 487.93,454.01 ; 1594.33,344.75 1594.33,403.81 1617.95,344.75 1617.95,403.81 1594.33,344.75 ; 1595.74,344.19 1595.74,403.24 1619.36,344.19 1619.36,403.24 1595.74,344.19 ; 1692.75,344.75 1716.37,403.81 1716.37,344.75 1692.75,403.81 1692.75,344.75 ; 1694.16,344.19 1717.79,403.24 1717.79,344.19 1694.16,403.24 1694.16,344.19 ; 1773.46,165.62 1832.52,165.62 1773.46,189.24 1832.52,189.24 1773.46,165.62 ; 1889.6,344.75 1913.22,403.81 1913.22,344.75 1889.6,403.81 1889.6,344.75 ; 1891.01,344.19 1914.64,403.24 1914.64,344.19 1891.01,403.24 1891.01,344.19 ; 1988.03,344.75 2011.65,403.81 2011.65,344.75 1988.03,403.81 1988.03,344.75 ; 1989.44,344.19 2013.06,403.24 2013.06,344.19 1989.44,403.24 1989.44,344.19 ; 2760.11,295.28 2771.92,393.7 2771.92,295.28 2760.11,393.7 2760.11,295.28 ; 2890.03,212.6 3008.14,212.6 2890.03,220.47 3008.14,220.47 2890.03,212.6 ; 2891.33,467.44 3009.44,481.22 2891.33,481.22 3009.44,467.44 2891.33,467.44 ; 3996.43,344.49 4020.05,403.54 4020.05,344.49 3996.43,403.54 3996.43,344.49 ; 4094.86,344.49 4094.86,403.54 4118.48,344.49 4118.48,403.54 4094.86,344.49 ; 4175.56,165.35 4234.62,188.98 4175.56,188.98 4234.62,165.35 4175.56,165.35 ; 4291.71,344.49 4291.71,403.54 4315.33,344.49 4315.33,403.54 4291.71,344.49 ; 4390.13,344.49 4390.13,403.54 4413.75,344.49 4413.75,403.54 4390.13,344.49

## Dimensions
2401.57,-77.75 to 2401.57,-236.22 on PCBM Notes

## Text inside footprints (layer, text, board x,y; h text height)
GR1: Top Overlay "FAIL" at 2066.93,1122.05 h80; Top Overlay "PASS" at 2066.93,1279.53 h80
GR3: Top Overlay "FAIL" at 4478.35,1122.05 h80; Top Overlay "PASS" at 4478.35,1279.53 h80
U4: PCBD Notes "G" at 3026.12,3304.92 h60; PCBD Notes "G" at 4101.12,3204.92 h60; PCBD Notes "TX" at 3551.12,3404.92 h60; PCBD Notes "IF" at 3026.12,1804.92 h60; PCBD Notes "RX" at 3576.12,1704.92 h60; PCBD Notes "5V" at 4101.12,1804.92 h60
U10: PCBD Notes "G" at 1777.82,1852.56 h60 r180; PCBD Notes "G" at 702.82,1952.56 h60 r180; PCBD Notes "TX" at 1252.82,1752.56 h60 r180; PCBD Notes "IF" at 1777.82,3352.56 h60 r180; PCBD Notes "RX" at 1227.82,3452.56 h60 r180; PCBD Notes "5V" at 702.82,3352.56 h60 r180